# Altium PCB PCB_v1_premove.PcbDoc (part 2 of 4)
Units mil, origin at the board's own origin, x right, y up, seen from the top; angles counter-clockwise.
Board outline 27400 x 10355 mil, 4 copper layers (Component Side, Ground Plane, Power Plane, Solder Side), stack 33.234 mil thick; 525 components, 575 nets, 2564 pads, 188 vias.
Unrouted connection lines stored in the file: 1433.
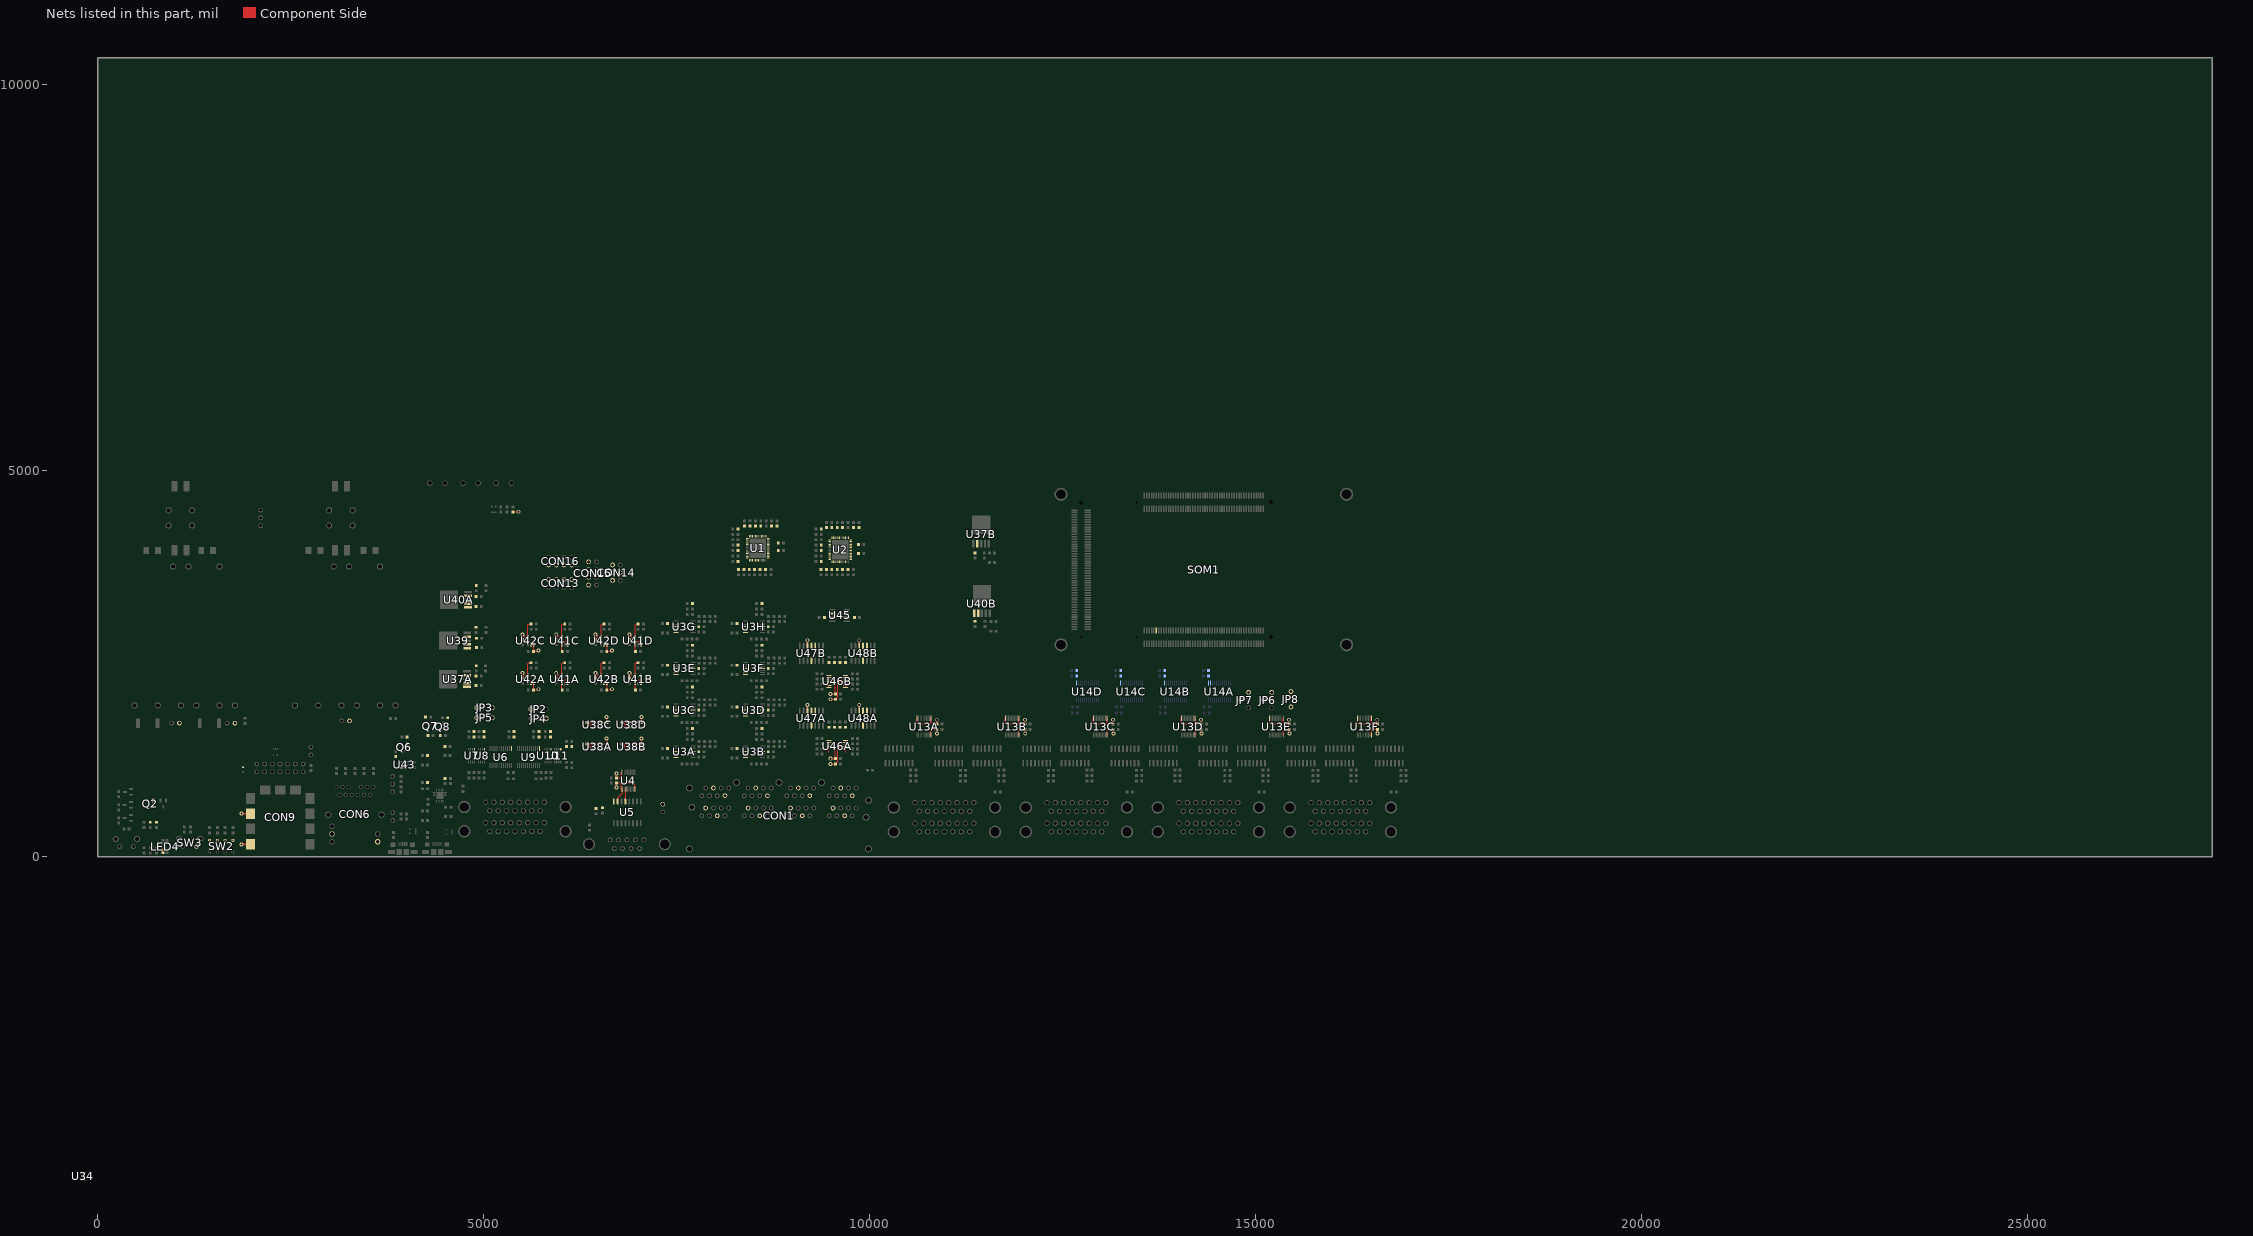
[diagram p4: the nets of this part, all layers, seen from the top]

## Components (designator, comment, footprint, x,y, rotation, side; value= is the part's Value field where it differs from the comment) (continued)
SOM1 "PicoZed" PicoZedSOM 16330,2595 r90 top
SW1 "1825027-5" 1825027-5 370,130 r0 top
SW2 "194-4MST" 194-4MST 1548.66,62.6 r0 top
SW3 "1825027-5" 1825027-5 1190.08,132.6 r0 top
U1 "LTC2320-14" QFN52 8550,3996.54 r0 top
U2 "LTC2320-14" QFN52 9620,3976.54 r0 top
U3A "ADA4522-4" TSSOP14 7600,1360 r270 top (schematic designator U3)
U3B "ADA4522-4" TSSOP14 8500,1360 r270 top (schematic designator U3)
U3C "ADA4522-4" TSSOP14 7600,1900 r270 top (schematic designator U3)
U3D "ADA4522-4" TSSOP14 8500,1900 r270 top (schematic designator U3)
U3E "ADA4522-4" TSSOP14 7600,2440 r270 top (schematic designator U3)
U3F "ADA4522-4" TSSOP14 8500,2440 r270 top (schematic designator U3)
U3G "ADA4522-4" TSSOP14 7600,2980 r270 top (schematic designator U3)
U3H "ADA4522-4" TSSOP14 8500,2980 r270 top (schematic designator U3)
U4 "ADG3308" TSSOP50P640-20N 6870,985 r90 top
U5 "MAX3097E" SOP127P826-16L 6860,575 r90 top
U6 "SN74LVC8T245PWR" TSSOP24 5220,1290 r180 top
U7 "SN74LVC2T45DCTR" SM8 4880,1310 r180 top
U8 "SN74LVC2T45DCTR" SM8 5010,1310 r180 top
U9 "SN74LVC8T245PWR" TSSOP24 5580,1290 r180 top
U10 "SN74LVC2T45DCTR" SM8 5870,1310 r180 top
U11 "SN74LVC2T45DCTR" SM8 5996.22,1310 r180 top
U12A "TC4468" SOIC16_N 11025,1305 r270 top (schematic designator U12)
U12B "TC4468" SOIC16_N 12166.54,1305 r270 top (schematic designator U12)
U12C "TC4468" SOIC16_N 13308.07,1305 r270 top (schematic designator U12)
U12D "TC4468" SOIC16_N 14449.61,1305 r270 top (schematic designator U12)
U12E "TC4468" SOIC16_N 15591.14,1305 r270 top (schematic designator U12)
U12F "TC4468" SOIC16_N 16732.68,1305 r270 top (schematic designator U12)
U13A "ADG3308" TSSOP50P640-20N 10705,1685 r270 top (schematic designator U13)
U13B "ADG3308" TSSOP50P640-20N 11846.54,1685 r270 top (schematic designator U13)
U13C "ADG3308" TSSOP50P640-20N 12988.07,1685 r270 top (schematic designator U13)
U13D "ADG3308" TSSOP50P640-20N 14129.61,1685 r270 top (schematic designator U13)
U13E "ADG3308" TSSOP50P640-20N 15271.14,1685 r270 top (schematic designator U13)
U13F "ADG3308" TSSOP50P640-20N 16412.68,1685 r270 top (schematic designator U13)
U14A "SN74LVC8T245PWR" TSSOP24 14533.16,2140 r0 bottom (schematic designator U14)
U14B "SN74LVC8T245PWR" TSSOP24 13963.16,2140 r0 bottom (schematic designator U14)
U14C "SN74LVC8T245PWR" TSSOP24 13393.16,2140 r0 bottom (schematic designator U14)
U14D "SN74LVC8T245PWR" TSSOP24 12823.16,2140 r0 bottom (schematic designator U14)
U15A "TC4468" SOIC16_N 10380,1306.54 r270 top (schematic designator U15)
U15B "TC4468" SOIC16_N 11521.54,1306.54 r270 top (schematic designator U15)
U15C "TC4468" SOIC16_N 12663.07,1306.54 r270 top (schematic designator U15)
U15D "TC4468" SOIC16_N 13804.61,1306.54 r270 top (schematic designator U15)
U15E "TC4468" SOIC16_N 14946.14,1306.54 r270 top (schematic designator U15)
U15F "TC4468" SOIC16_N 16087.68,1306.54 r270 top (schematic designator U15)
U34 "74LVC1T45GW,125" SOT363-6N -194.29,-4140.01 r270 top
U35 "RP40-2415DG" RP40-G 1075.71,2859.99 r270 top
U36 "RP40-2405SG" RP40-G 3155.71,2860 r270 top
U37A "MIC35302WD-TR" TO-252-5 4537.4,2300 r90 top (schematic designator U37)
U37B "MIC35302WD-TR" TO-252-5 11445,4300 r0 top (schematic designator U37)
U38A "LP5907MFX-2.5/NOPB" SOT23-5 6470,1427.4 r270 top (schematic designator U38)
U38B "LP5907MFX-2.5/NOPB" SOT23-5 6920,1427.4 r270 top (schematic designator U38)
U38C "LP5907MFX-2.5/NOPB" SOT23-5 6470,1707.4 r270 top (schematic designator U38)
U38D "LP5907MFX-2.5/NOPB" SOT23-5 6920,1707.4 r270 top (schematic designator U38)
U39 "MIC35302WD-TR" TO-252-5 4540,2800 r90 top
U40A "MIC35302WD-TR" TO-252-5 4550,3330 r90 top (schematic designator U40)
U40B "MIC35302WD-TR" TO-252-5 11455,3401.06 r0 top (schematic designator U40)
U41A "ADP7118AUJZ-R7" TSOT-23 6050,2300 r0 top (schematic designator U41)
U41B "ADP7118AUJZ-R7" TSOT-23 7000,2300 r0 top (schematic designator U41)
U41C "ADP7118AUJZ-R7" TSOT-23 6050,2800 r0 top (schematic designator U41)
U41D "ADP7118AUJZ-R7" TSOT-23 7000,2800 r0 top (schematic designator U41)
U42A "ADP7182AUJZ-R7" TSOT-23 5610,2300 r0 top (schematic designator U42)
U42B "ADP7182AUJZ-R7" TSOT-23 6560,2300 r0 top (schematic designator U42)
U42C "ADP7182AUJZ-R7" TSOT-23 5610,2800 r0 top (schematic designator U42)
U42D "ADP7182AUJZ-R7" TSOT-23 6560,2800 r0 top (schematic designator U42)
U43 "TPS2051C" SOT23-5 3970,1190 r90 top
U44 "CP2102N" QFN50P400X400-20V1L 4430,790 r90 top
U45 "LT1461CCS8-2.5#PBF" SOIC8_N 9610,3125.25 r0 top
U46A "ADA4522-4" TSSOP14 9580,1430 r270 top (schematic designator U46)
U46B "ADA4522-4" TSSOP14 9580,2270 r270 top (schematic designator U46)
U47A "INA2143UA" SOIC14_N 9245,1795 r270 top (schematic designator U47)
U47B "INA2143UA" SOIC14_N 9245,2635 r270 top (schematic designator U47)
U48A "INA2143UA" SOIC14_N 9915,1795 r270 top (schematic designator U48)
U48B "INA2143UA" SOIC14_N 9915,2635 r270 top (schematic designator U48)

## Footprints (in the part's own frame and the unit in brackets; to place one, negate y for a bottom-side part, rotate by r counter-clockwise, add the part's x,y. Pads: shape width x height; smd on the part's side, far side on the other; paste and mask are expansions set on the pad)
178-015-513R571 [mil] "CONN D-SUB RCPT 15POS R/A SLDR"
  round 67 hole 47: 1A(381.5,0) 1B(381.5,-266) 2A(272.5,0) 2B(272.5,-266) 3A(163.5,0) 3B(163.5,-266) 4A(54.5,0) 4B(54.5,-266) 5A(-54.5,0) 5B(-54.5,-266) 6A(-163.5,0) 6B(-163.5,-266) 7A(-272.5,0) 7B(-272.5,-266) 8A(-381.5,0) 8B(-381.5,-266) 9A(327,-112) 9B(327,-378) 10A(218,-112) 10B(218,-378) 11A(109,-112) 11B(109,-378) 12A(0,-112) 12B(0,-378) 13A(-109,-112) 13B(-109,-378) 14A(-218,-112) 14B(-218,-378) 15A(-327,-112) 15B(-327,-378)
  round 160 hole 120: SH1(656,-63) SH2(-656,-63) SH3(-656,-378) SH4(656,-378)
  silkscreen extent -700,-700 700,-696
194-4MST [mm] "SWITCH PIANO DIP SPST 50MA 24V"
  round 1 hole 0.6: 1(-2.54,0) 2(-2.54,3.81) 3(0,0) 4(0,3.81) 5(2.54,0) 6(2.54,3.81) 7(5.08,0) 8(5.08,3.81)
  silkscreen extent -2.54,1.02 5.08,1.02
0603-CAP [mm]
  rect 0.95x0.95 smd: 1(-0.85,0) 2(0.85,0)
  silkscreen extent -0.13,-0.51 0.13,0.51
0603-LED [mm]
  rect 0.95x0.95 smd: A(0.85,0) C(-0.85,0)
  silkscreen extent -0.13,-0.51 0.13,0.51
0603-RES [mm]
  rect 0.95x0.95 smd: 1(-0.85,0) 2(0.85,0)
  silkscreen extent -0.13,-0.51 0.13,0.51
1210-LED-RGB-CA [mm]
  rect 1x1.5 smd paste+0 mask+0: 1(0.7,1.75) 1(0.7,1.75) 2(-0.7,1.75) 3(0.7,-1.75) 4(-0.7,-1.75)
  silkscreen extent 0,0.51 0.51,0.51
1808-CAP [mil]
  rect 75x90 smd: 1(-77.48,0) 2(77.48,0)
  silkscreen extent -30,-40 30,40
1812-CAP [mil]
  rect 75x135 smd: 1(-77.48,0) 2(77.48,0)
  silkscreen extent -30,-60 30,60
2512-RES [mil]
  rect 49x125 smd: 1(-125.51,0) 2(125.51,0)
  silkscreen extent -80,-60 80,60
1825027-5 [mm] "SWITCH TACTILE SPST-NO 0.05A 24V"
  round 1.524 hole 0.991: 1(-2.25,0) 2(2.25,0)
  round 2 hole 1.295: SH(-3.505,2.49) SH(3.505,2.49)
  silkscreen extent -1.78,-2.29 1.78,-1.52
1935161 [mil] "TERM BLOCK PCB 2POS 5.0MM GREEN"
  round 70 hole 51.18: 1(-98.43,0) 2(98.43,0)
  silkscreen extent -197,-157 197,157
1981584-1 [mm] "CONN RCPT MICRO USB TYPE AB"
  rect 0.4x1.35 smd: 1(-1.3,0) 2(-0.65,0) 3(0,0) 4(0.65,0) 5(1.3,0)
  rect 1.8x1.9 smd: SH(-1.15,-2.675) SH(1.15,-2.675)
  rect 2.3x1.3 smd: SH1(-3.75,-2.675) SH4(3.75,-2.675)
  rect 1.6x1.4 smd: SH2(-3.2,-0.225) SH3(3.2,-0.225)
  silkscreen extent -5,-4.13 5,-4.13
5569257-1 [mm] "CONN MOD JACK 8P8C R/A SHIELDED"
  round 1.524 hole 0.89: 1A(10.16,15.49) 1B(24.13,15.49) 1C(38.1,15.49) 1D(52.07,15.49) 1E(1.27,6.35) 1F(15.24,6.35) 1G(29.21,6.35) 1H(43.18,6.35) 2A(7.62,15.49) 2B(21.59,15.49) 2C(35.56,15.49) 2D(49.53,15.49) 2E(3.81,6.35) 2F(17.78,6.35) 2G(31.75,6.35) 2H(45.72,6.35) 3A(5.08,15.49) 3B(19.05,15.49) 3C(33.02,15.49) 3D(46.99,15.49) 3E(6.35,6.35) 3F(20.32,6.35) 3G(34.29,6.35) 3H(48.26,6.35) 4A(2.54,15.49) 4B(16.51,15.49) 4C(30.48,15.49) 4D(44.45,15.49) 4E(8.89,6.35) 4F(22.86,6.35) 4G(36.83,6.35) 4H(50.8,6.35) 5A(8.89,12.95) 5B(22.86,12.95) 5C(36.83,12.95) 5D(50.8,12.95) 5E(2.54,8.89) 5F(16.51,8.89) 5G(30.48,8.89) 5H(44.45,8.89) 6A(6.35,12.95) 6B(20.32,12.95) 6C(34.29,12.95) 6D(48.26,12.95) 6E(5.08,8.89) 6F(19.05,8.89) 6G(33.02,8.89) 6H(46.99,8.89) 7A(3.81,12.95) 7B(17.78,12.95) 7C(31.75,12.95) 7D(45.72,12.95) 7E(7.62,8.89) 7F(21.59,8.89) 7G(35.56,8.89) 7H(49.53,8.89) 8A(1.27,12.95) 8B(15.24,12.95) 8C(29.21,12.95) 8D(43.18,12.95) 8E(10.16,8.89) 8F(24.13,8.89) 8G(38.1,8.89) 8H(52.07,8.89)
  round 2.25 hole 1.57: SH1(-2.815,-4.57) SH2(-2.03,9.14) SH3(-2.815,15.49) SH4(12.7,17.27) SH5(26.67,17.27) SH6(40.64,17.27) SH7(56.13,11.43) SH8(55.345,5.84) SH9(56.13,-4.57)
  round 3.25 on Drill Guide: ""(0,0) ""(53.34,0)
  silkscreen extent -6,-7 60,20
7448227005 [mm] "CMC 450UH 6.5A 2LN TH"
  round 2 hole 1.3: 1(3.85,2.5) 2(3.85,-2.5) 3(-3.85,-2.5) 4(-3.85,2.5)
  silkscreen extent -9.25,-7.5 9.25,7.25
"A-DF 09 A/KG-T2S" [mm] "CONN D-SUB RCPT 9POS R/A SOLDER"
  round 1.524 hole 1: 1(5.54,1.42) 2(2.77,1.42) 3(0,1.42) 4(-2.77,1.42) 5(-5.54,1.42) 6(4.155,-1.42) 7(1.385,-1.42) 8(-1.385,-1.42) 9(-4.155,-1.42)
  round 4 hole 3.05: SH1(-12.495,0) SH2(12.495,0)
JTAG-SMT2 [mm]
  rect 3.5x3 smd: 1(-7.5,0) 2(-2.5,0) 3(2.5,0) 4(7.5,0) 8(7.5,19.5) 9(2.5,19.5) 10(-2.5,19.5) 11(-7.5,19.5)
  rect 3x3.5 smd: 5(10.25,4.75) 6(10.25,9.75) 7(10.25,14.75)
  silkscreen extent -11.5,-1.5 -8.65,21
L829-1J1T-43 [mil] "CONN MAGJACK 1PORT 1000 BASE-T"
  round 50 hole 35.04: 1(-200,0) 2(-120.08,0) 3(-40.08,0) 4(40,0) 5(119.92,0) 6(199.92,0) 7(-240,-100) 8(-160,-100) 9(-80,-100) 10(80,-100) 11(160,-100) 12(240,-100)
  round 70 hole 50: 13(-296,510) 14(-296,610) 15(296,410) 16(296,510) 17(296,610)
  round 82 hole 62: 18(-346,260) 19(346,260)
  round 128 on Drill Guide: ""(-190,260) ""(190,260)
  silkscreen extent -346,-200 346,800
PicoZedSOM [mil] "PicoZed SOM Footprint"
  round 170 hole 125: 0(150,3850) 0(150,150) 0(2100,3850) 0(2100,150)
  round 30 hole 32.01 unplated: 0(250.5,2870) 0(255,3590) 0(2000.5,2870)
  round 45.98 hole 47.99 unplated: 0(250.5,1130) 0(1995,3590) 0(2000.5,1130)
  rect 80x20 smd: JX1-1(2087.11,2771.65) JX1-2(1913.89,2771.65) JX1-3(2087.11,2740.16) JX1-4(1913.89,2740.16) JX1-5(2087.11,2708.66) JX1-6(1913.89,2708.66) JX1-7(2087.11,2677.17) JX1-8(1913.89,2677.17) JX1-9(2087.11,2645.67) JX1-10(1913.89,2645.67) JX1-11(2087.11,2614.17) JX1-12(1913.89,2614.17) JX1-13(2087.11,2582.68) JX1-14(1913.89,2582.68) JX1-15(2087.11,2551.18) JX1-16(1913.89,2551.18) JX1-17(2087.11,2519.68) JX1-18(1913.89,2519.69) JX1-19(2087.11,2488.19) JX1-20(1913.89,2488.19) JX1-21(2087.11,2456.69) JX1-22(1913.89,2456.69) JX1-23(2087.11,2425.2) JX1-24(1913.89,2425.2) JX1-25(2087.11,2393.7) JX1-26(1913.89,2393.7) JX1-27(2087.11,2362.2) JX1-28(1913.89,2362.21) JX1-29(2087.11,2330.71) JX1-30(1913.89,2330.71) JX1-31(2087.11,2299.21) JX1-32(1913.89,2299.21) JX1-33(2087.11,2267.72) JX1-34(1913.89,2267.72) JX1-35(2087.11,2236.22) JX1-36(1913.89,2236.22) JX1-37(2087.11,2204.72) JX1-38(1913.89,2204.73) JX1-39(2087.11,2173.23) JX1-40(1913.89,2173.23) JX1-41(2087.11,2141.73) JX1-42(1913.89,2141.73) JX1-43(2087.11,2110.24) JX1-44(1913.89,2110.24) JX1-45(2087.11,2078.74) JX1-46(1913.89,2078.74) JX1-47(2087.11,2047.24) JX1-48(1913.89,2047.25) JX1-49(2087.11,2015.75) JX1-50(1913.89,2015.75) JX1-51(2087.11,1984.25) JX1-52(1913.89,1984.25) JX1-53(2087.11,1952.76) JX1-54(1913.89,1952.76) JX1-55(2087.11,1921.26) JX1-56(1913.89,1921.26) JX1-57(2087.11,1889.76) JX1-58(1913.89,1889.77) JX1-59(2087.11,1858.27) JX1-60(1913.89,1858.27) JX1-61(2087.11,1826.77) JX1-62(1913.89,1826.77) JX1-63(2087.11,1795.28) JX1-64(1913.89,1795.28) JX1-65(2087.11,1763.78) JX1-66(1913.89,1763.78) JX1-67(2087.11,1732.28) JX1-68(1913.89,1732.29) JX1-69(2087.11,1700.79) JX1-70(1913.89,1700.79) JX1-71(2087.11,1669.29) JX1-72(1913.89,1669.29) JX1-73(2087.11,1637.8) JX1-74(1913.89,1637.8) JX1-75(2087.11,1606.3) JX1-76(1913.89,1606.3) JX1-77(2087.11,1574.8) JX1-78(1913.89,1574.81) JX1-79(2087.11,1543.31) JX1-80(1913.89,1543.31) JX1-81(2087.11,1511.81) JX1-82(1913.89,1511.81) JX1-83(2087.11,1480.31) JX1-84(1913.89,1480.32) JX1-85(2087.11,1448.82) JX1-86(1913.89,1448.82) JX1-87(2087.11,1417.32) JX1-88(1913.89,1417.33) JX1-89(2087.11,1385.83) JX1-90(1913.89,1385.83) JX1-91(2087.11,1354.33) JX1-92(1913.89,1354.33) JX1-93(2087.11,1322.83) JX1-94(1913.89,1322.84) JX1-95(2087.11,1291.34) JX1-96(1913.89,1291.34) JX1-97(2087.11,1259.84) JX1-98(1913.89,1259.85) JX1-99(2087.11,1228.35) JX1-100(1913.89,1228.35) JX2-1(337.11,2771.65) JX2-2(163.89,2771.65) JX2-3(337.11,2740.16) JX2-4(163.89,2740.16) JX2-5(337.11,2708.66) JX2-6(163.89,2708.66) JX2-7(337.11,2677.17) JX2-8(163.89,2677.17) JX2-9(337.11,2645.67) JX2-10(163.89,2645.67) JX2-11(337.11,2614.17) JX2-12(163.89,2614.17) JX2-13(337.11,2582.68) JX2-14(163.89,2582.68) JX2-15(337.11,2551.18) JX2-16(163.89,2551.18) JX2-17(337.11,2519.68) JX2-18(163.89,2519.69) JX2-19(337.11,2488.19) JX2-20(163.89,2488.19) JX2-21(337.11,2456.69) JX2-22(163.89,2456.69) JX2-23(337.11,2425.2) JX2-24(163.89,2425.2) JX2-25(337.11,2393.7) JX2-26(163.89,2393.7) JX2-27(337.11,2362.2) JX2-28(163.89,2362.21) JX2-29(337.11,2330.71) JX2-30(163.89,2330.71) JX2-31(337.11,2299.21) JX2-32(163.89,2299.21) JX2-33(337.11,2267.72) JX2-34(163.89,2267.72) JX2-35(337.11,2236.22) JX2-36(163.89,2236.22) JX2-37(337.11,2204.72) JX2-38(163.89,2204.73) JX2-39(337.11,2173.23) JX2-40(163.89,2173.23) JX2-41(337.11,2141.73) JX2-42(163.89,2141.73) JX2-43(337.11,2110.24) JX2-44(163.89,2110.24) JX2-45(337.11,2078.74) JX2-46(163.89,2078.74) JX2-47(337.11,2047.24) JX2-48(163.89,2047.25) JX2-49(337.11,2015.75) JX2-50(163.89,2015.75) JX2-51(337.11,1984.25) JX2-52(163.89,1984.25) JX2-53(337.11,1952.76) JX2-54(163.89,1952.76) JX2-55(337.11,1921.26) JX2-56(163.89,1921.26) JX2-57(337.11,1889.76) JX2-58(163.89,1889.77) JX2-59(337.11,1858.27) JX2-60(163.89,1858.27) JX2-61(337.11,1826.77) JX2-62(163.89,1826.77) JX2-63(337.11,1795.28) JX2-64(163.89,1795.28) JX2-65(337.11,1763.78) JX2-66(163.89,1763.78) JX2-67(337.11,1732.28) JX2-68(163.89,1732.29) JX2-69(337.11,1700.79) JX2-70(163.89,1700.79) JX2-71(337.11,1669.29) JX2-72(163.89,1669.29) JX2-73(337.11,1637.8) JX2-74(163.89,1637.8) JX2-75(337.11,1606.3) JX2-76(163.89,1606.3) JX2-77(337.11,1574.8) JX2-78(163.89,1574.81) JX2-79(337.11,1543.31) JX2-80(163.89,1543.31) JX2-81(337.11,1511.81) JX2-82(163.89,1511.81) JX2-83(337.11,1480.31) JX2-84(163.89,1480.32) JX2-85(337.11,1448.82) JX2-86(163.89,1448.82) JX2-87(337.11,1417.32) JX2-88(163.89,1417.33) JX2-89(337.11,1385.83) JX2-90(163.89,1385.83) JX2-91(337.11,1354.33) JX2-92(163.89,1354.33) JX2-93(337.11,1322.83) JX2-94(163.89,1322.84) JX2-95(337.11,1291.34) JX2-96(163.89,1291.34) JX2-97(337.11,1259.84) JX2-98(163.89,1259.85) JX2-99(337.11,1228.35) JX2-100(163.89,1228.35)
  rect 20x80 smd: JX3-1(353.35,3676.61) JX3-2(353.35,3503.39) JX3-3(384.84,3676.61) JX3-4(384.84,3503.39) JX3-5(416.34,3676.61) JX3-6(416.34,3503.39) JX3-7(447.83,3676.61) JX3-8(447.83,3503.39) JX3-9(479.33,3676.61) JX3-10(479.33,3503.39) JX3-11(510.83,3676.61) JX3-12(510.83,3503.39) JX3-13(542.32,3676.61) JX3-14(542.32,3503.39) JX3-15(573.82,3676.61) JX3-16(573.82,3503.39) JX3-17(605.31,3676.61) JX3-18(605.31,3503.39) JX3-19(636.81,3676.61) JX3-20(636.81,3503.39) JX3-21(668.31,3676.61) JX3-22(668.31,3503.39) JX3-23(699.8,3676.61) JX3-24(699.8,3503.39) JX3-25(731.3,3676.61) JX3-26(731.3,3503.39) JX3-27(762.8,3676.61) JX3-28(762.79,3503.39) JX3-29(794.29,3676.61) JX3-30(794.29,3503.39) JX3-31(825.79,3676.61) JX3-32(825.79,3503.39) JX3-33(857.28,3676.61) JX3-34(857.28,3503.39) JX3-35(888.78,3676.61) JX3-36(888.78,3503.39) JX3-37(920.28,3676.61) JX3-38(920.27,3503.39) JX3-39(951.77,3676.61) JX3-40(951.77,3503.39) JX3-41(983.27,3676.61) JX3-42(983.27,3503.39) JX3-43(1014.76,3676.61) JX3-44(1014.76,3503.39) JX3-45(1046.26,3676.61) JX3-46(1046.26,3503.39) JX3-47(1077.76,3676.61) JX3-48(1077.75,3503.39) JX3-49(1109.25,3676.61) JX3-50(1109.25,3503.39) JX3-51(1140.75,3676.61) JX3-52(1140.75,3503.39) JX3-53(1172.24,3676.61) JX3-54(1172.24,3503.39) JX3-55(1203.74,3676.61) JX3-56(1203.74,3503.39) JX3-57(1235.24,3676.61) JX3-58(1235.23,3503.39) JX3-59(1266.73,3676.61) JX3-60(1266.73,3503.39) JX3-61(1298.23,3676.61) JX3-62(1298.23,3503.39) JX3-63(1329.72,3676.61) JX3-64(1329.72,3503.39) JX3-65(1361.22,3676.61) JX3-66(1361.22,3503.39) JX3-67(1392.72,3676.61) JX3-68(1392.71,3503.39) JX3-69(1424.21,3676.61) JX3-70(1424.21,3503.39) JX3-71(1455.71,3676.61) JX3-72(1455.71,3503.39) JX3-73(1487.2,3676.61) JX3-74(1487.2,3503.39) JX3-75(1518.7,3676.61) JX3-76(1518.7,3503.39) JX3-77(1550.2,3676.61) JX3-78(1550.19,3503.39) JX3-79(1581.69,3676.61) JX3-80(1581.69,3503.39) JX3-81(1613.19,3676.61) JX3-82(1613.19,3503.39) JX3-83(1644.69,3676.61) JX3-84(1644.68,3503.39) JX3-85(1676.18,3676.61) JX3-86(1676.18,3503.39) JX3-87(1707.68,3676.61) JX3-88(1707.67,3503.39) JX3-89(1739.17,3676.61) JX3-90(1739.17,3503.39) JX3-91(1770.67,3676.61) JX3-92(1770.67,3503.39) JX3-93(1802.17,3676.61) JX3-94(1802.16,3503.39) JX3-95(1833.66,3676.61) JX3-96(1833.66,3503.39) JX3-97(1865.16,3676.61) JX3-98(1865.15,3503.39) JX3-99(1896.65,3676.61) JX3-100(1896.65,3503.39)
  Component Side keep-out circle w4: c150,150 r150
  Component Side keep-out circle w4: c2100,3850 r150
  Component Side keep-out circle w4: c150,3850 r150
  Component Side keep-out circle w4: c2100,150 r150
  Solder Side keep-out circle w4: c150,150 r150
  Solder Side keep-out circle w4: c2100,3850 r150
  Solder Side keep-out circle w4: c150,3850 r150
  Solder Side keep-out circle w4: c2100,150 r150
  silkscreen extent 0,0 2250,4000, body extent -1,0 2250,4000, height 186
PIN_HEADER_1x2 [mil]
  round 60 hole 40.16: 1(-50,0) 2(50,0)
PIN_HEADER_1X3 [mil]
  round 60 hole 40.16: 1(-100,0) 2(0,0) 3(100,0)
PIN_HEADER_1X3T [mil]
  round 60 hole 40.16: 1(-100,0) 2(0,0) 3(100,0) 4(0,100)
PIN_HEADER_2x3 [mil]
  round 60 hole 40.16: 1(-100,50) 2(-100,-50) 3(0,50) 4(0,-50) 5(100,50) 6(100,-50)
PIN_HEADER_2x4 [mil]
  round 60 hole 40.16: 1(-150,50) 2(-150,-50) 3(-50,50) 4(-50,-50) 5(50,50) 6(50,-50) 7(150,50) 8(150,-50)
PIN_HEADER_2x7 [mil]
  round 60 hole 40.16: 1(-300,0) 2(-300,-100) 3(-200,0) 4(-200,-100) 5(-100,0) 6(-100,-100) 7(0,0) 8(0,-100) 9(100,0) 10(100,-100) 11(200,0) 12(200,-100) 13(300,0) 14(300,-100)
QFN50P400X400-20V1L [mm] "QFN, 20-Leads, Body 4x4mm, Pitch 0.5mm, IPC High Density"
  oval 0.95x0.3 smd: 1(-1.825,1) 2(-1.825,0.5) 3(-1.825,0) 4(-1.825,-0.5) 5(-1.825,-1) 11(1.825,-1) 12(1.825,-0.5) 13(1.825,0) 14(1.825,0.5) 15(1.825,1)
  oval 0.3x0.95 smd: 6(-1,-1.825) 7(-0.5,-1.825) 8(0,-1.825) 9(0.5,-1.825) 10(1,-1.825) 16(1,1.825) 17(0.5,1.825) 18(0,1.825) 19(-0.5,1.825) 20(-1,1.825)
  rect 2.3x2.3 smd: 21(0,0)
  silkscreen extent -2.97,-2.1 2.1,2.1, body extent -2.07,-2.07 2.07,2.07, height 1
QFN52 [mil] "Small 52-Lead (7mm × 8mm) QFN Package"
  rect 32x12 smd paste+0 mask+0: 1(-136,127.95) 2(-136,108.27) 3(-136,88.58) 4(-136,68.9) 5(-136,49.21) 6(-136,29.53) 7(-136,9.84) 8(-136,-9.84) 9(-136,-29.53) 10(-136,-49.21) 11(-136,-68.9) 12(-136,-88.58) 13(-136,-108.27) 14(-136,-127.95) 27(136,-127.95) 28(136,-108.27) 29(136,-88.58) 30(136,-68.9) 31(136,-49.21) 32(136,-29.53) 33(136,-9.84) 34(136,9.84) 35(136,29.53) 36(136,49.21) 37(136,68.9) 38(136,88.58) 39(136,108.27) 40(136,127.95)
  rect 12x32 smd paste+0 mask+0: 15(-108.27,-155.5) 16(-88.58,-155.5) 17(-68.9,-155.5) 18(-49.21,-155.5) 19(-29.53,-155.5) 20(-9.84,-155.5) 21(9.84,-155.5) 22(29.53,-155.5) 23(49.21,-155.5) 24(68.9,-155.5) 25(88.58,-155.5) 26(108.27,-155.5) 41(108.27,155.5) 42(88.58,155.5) 43(68.9,155.5) 44(49.21,155.5) 45(29.53,155.5) 46(9.84,155.5) 47(-9.84,155.5) 48(-29.53,155.5) 49(-49.21,155.5) 50(-68.9,155.5) 51(-88.58,155.5) 52(-108.27,155.5)
  rect 216.93x257.87 smd paste-128.44 mask+0: 53(0,0)
  silkscreen extent -172,-192 172,191, body extent 0,0 10,10, height 10
RP40-G [mm] "CONV DC/DC"
  round 2 hole 1.4: 1(-22.86,-2.54) 2(-22.86,2.54) 3(-22.86,12.7) 4(22.86,-15.24) 5(22.86,-7.62) 6(22.86,0) 7(22.86,5.08) 8(22.86,12.7) 9(22.86,17.78)
  silkscreen extent -25.4,-25.4 25.4,25.4
SC70-5 [mm]
  rect 0.4x0.5 smd: 1(-0.65,-0.95) 2(0,-0.95) 3(0.65,-0.95) 4(0.65,0.95) 5(-0.65,0.95)
SM8 [mm]
  rect 0.42x0.889 smd: 1(0,-2.105) 2(0.65,-2.105) 3(1.3,-2.105) 4(1.95,-2.105) 5(1.95,2.105) 6(1.3,2.105) 7(0.65,2.105) 8(0,2.105)
  silkscreen extent -0.3,-1.1 2.2,-1.1
SOD-523 [mm]
  rect 0.5x0.6 smd paste+0 mask+0: A(-0.7,0) C(0.7,0)
  silkscreen extent 0.3,-0.3 0.3,0.3
SOIC8_N [mm] "8-Pin Small Outline Integrated Circuit Package (SOIC8), IPC Medium Density"
  oval 2.2x0.6 smd: 1(-2.4,1.905) 2(-2.4,0.635) 3(-2.4,-0.635) 4(-2.4,-1.905) 5(2.4,-1.905) 6(2.4,-0.635) 7(2.4,0.635) 8(2.4,1.905)
  silkscreen extent -2.52,-2.5 0.9,2.88, body extent -1.95,-2.45 1.95,2.45, height 1.75
SOIC14_N [mm] "14-Pin Small Outline Integrated Circuit 1.27 mm Pitch, IPC Medium Density"
  oval 2.2x0.6 smd: 1(-2.4,3.81) 2(-2.4,2.54) 3(-2.4,1.27) 4(-2.4,0) 5(-2.4,-1.27) 6(-2.4,-2.54) 7(-2.4,-3.81) 8(2.4,-3.81) 9(2.4,-2.54) 10(2.4,-1.27) 11(2.4,0) 12(2.4,1.27) 13(2.4,2.54) 14(2.4,3.81)
  silkscreen extent -2.52,-4.4 0.9,4.79, body extent -1.95,-4.33 1.95,4.33, height 1.75
SOIC16_N [mm] "SOIC, 16-Leads, Body 9.9x3.9mm, Pitch 1.27mm, IPC Medium Density"
  oval 2.2x0.6 smd: 1(-2.4,4.445) 2(-2.4,3.175) 3(-2.4,1.905) 4(-2.4,0.635) 5(-2.4,-0.635) 6(-2.4,-1.905) 7(-2.4,-3.175) 8(-2.4,-4.445) 9(2.4,-4.445) 10(2.4,-3.175) 11(2.4,-1.905) 12(2.4,-0.635) 13(2.4,0.635) 14(2.4,1.905) 15(2.4,3.175) 16(2.4,4.445)
  silkscreen extent -2.52,-5 0.9,5.42, body extent -2,-5 2,5, height 1.91
SOP127P826-16L [mm] "SOP, 16-Leads, Body 11x6.2mm, Pitch 1.27mm, IPC High Density"
  oval 2x0.6 smd: 1(-3.6,4.445) 2(-3.6,3.175) 3(-3.6,1.905) 4(-3.6,0.635) 5(-3.6,-0.635) 6(-3.6,-1.905) 7(-3.6,-3.175) 8(-3.6,-4.445) 9(3.6,-4.445) 10(3.6,-3.175) 11(3.6,-1.905) 12(3.6,-0.635) 13(3.6,0.635) 14(3.6,1.905) 15(3.6,3.175) 16(3.6,4.445)
  silkscreen extent -3.72,-5.7 2.2,5.7, body extent -3.11,-5.71 3.11,5.71, height 2
SOT23-5 [mm] "SOT-23/SC-74A; 5 Leads; Body 3 x 3 mm, inc. leads (LxW max)"
  rect 0.55x1.45 smd: 1(-0.95,-1.075) 2(0,-1.075) 3(0.95,-1.075) 4(0.95,1.075) 5(-0.95,1.075)
  silkscreen extent -1.57,-1.35 1.55,0.9
SOT95P250-3N [mm] "SOT23, 3-Leads, Body 2.9x1.3mm, Pitch 0.95mm, Lead Span 2.3mm, IPC Medium Density"
  rect 1.3x0.6 smd: 1(-1.05,0.95) 2(-1.05,-0.95) 3(1.05,0)
  silkscreen extent -1.17,-1.5 0.7,1.93, body extent -0.7,-1.5 0.7,1.5, height 1.2
SOT363-6N [mm] "SOT363, 6-Leads, Body 2x1.3mm, Pitch 0.65mm, Lead Span 2.1mm, IPC Medium Density"
  rect 0.85x0.4 smd: 1(-0.95,0.65) 2(-0.95,0) 3(-0.95,-0.65) 4(0.95,-0.65) 5(0.95,0) 6(0.95,0.65)
  silkscreen extent -1.07,-1.1 0.15,1.53, body extent -0.7,-1.1 0.7,1.1, height 1
TO-252-5 [mm] "5-pin TO-252-5"
  rect 0.8x2.5 smd: 1(-2.54,-6.25) 2(-1.27,-6.25) 3(0,-6.25) 4(1.27,-6.25) 5(2.54,-6.25)
  rect 6x6 smd: 6(0,0)
TSOT-23 [mm] "5-Lead Plastic TSOT-23"
  rect 0.62x1.22 smd: 1(-0.95,-1.31) 2(0,-1.31) 3(0.95,-1.31) 4(0.95,1.31) 5(-0.95,1.31)
TSSOP14 [mm] "Shrink Small Outline; 14 Leads; Body Width 4.4 mm; Pitch 0.65 mm"
  rect 0.3x1.65 smd: 1(-1.95,-2.775) 2(-1.3,-2.775) 3(-0.65,-2.775) 4(0,-2.775) 5(0.65,-2.775) 6(1.3,-2.775) 7(1.95,-2.775) 8(1.95,2.775) 9(1.3,2.775) 10(0.65,2.775) 11(0,2.775) 12(-0.65,2.775) 13(-1.3,2.775) 14(-1.95,2.775)
  silkscreen extent -2.77,-2.9 2.55,1.55
TSSOP24 [mm] "Shrink Small Outline; 24 Leads; Body Width 4.4 mm; Pitch 0.65 mm"
  rect 0.3x1.6 smd: 1(-3.575,-2.8) 2(-2.925,-2.8) 3(-2.275,-2.8) 4(-1.625,-2.8) 5(-0.975,-2.8) 6(-0.325,-2.8) 7(0.325,-2.8) 8(0.975,-2.8) 9(1.625,-2.8) 10(2.275,-2.8) 11(2.925,-2.8) 12(3.575,-2.8) 13(3.575,2.8) 14(2.925,2.8) 15(2.275,2.8) 16(1.625,2.8) 17(0.975,2.8) 18(0.325,2.8) 19(-0.325,2.8) 20(-0.975,2.8) 21(-1.625,2.8) 22(-2.275,2.8) 23(-2.925,2.8) 24(-3.575,2.8)
  silkscreen extent -4.4,-2.92 4,1.6
TSSOP50P640-20N [mm] "TSSOP, 20-Leads, Body 5x4.4mm, Pitch 0.5mm, IPC Medium Density"
  oval 1.75x0.3 smd: 1(-2.775,2.25) 2(-2.775,1.75) 3(-2.775,1.25) 4(-2.775,0.75) 5(-2.775,0.25) 6(-2.775,-0.25) 7(-2.775,-0.75) 8(-2.775,-1.25) 9(-2.775,-1.75) 10(-2.775,-2.25) 11(2.775,-2.25) 12(2.775,-1.75) 13(2.775,-1.25) 14(2.775,-0.75) 15(2.775,-0.25) 16(2.775,0.25) 17(2.775,0.75) 18(2.775,1.25) 19(2.775,1.75) 20(2.775,2.25)
  silkscreen extent -2.9,-2.55 1.5,3.07, body extent -2.25,-2.55 2.25,2.55, height 1.2

## Part data
CON1: "CONN MOD JACK 8P8C R/A SHIELDED", Supplier Part Number 1=A115463-ND, Supplier 1=Digi-Key
CON2 CON3 CON4: Supplier Part Number 1=277-1667-ND, Supplier 1=Digi-Key
CON5: "CONN D-SUB RCPT 9POS R/A SOLDER", Supplier Part Number 1=AE10921-ND, Supplier 1=Digi-Key
CON6: Supplier Part Number 1=380-1110-ND, Supplier 1=Digi-Key
CON7 CON8A CON8B CON8C CON8D: "CONN D-SUB RCPT 15POS R/A SLDR", Supplier Part Number 1=1115FFE-ND, Supplier 1=Digi-Key
CON11 CON12: "CONN RCPT MICRO USB TYPE AB", Supplier Part Number 1=A97799TR-ND, Supplier 1=Digi-Key
D1 D3 D7 D8: "TVS DIODE 5.5V 13V SC70-5", Supplier Part Number 1=F2895TR-ND, Supplier 1=Digi-Key
D2: "DIODE SCHOTTKY 30V 200MA SOD523", Supplier Part Number 1=RB521S30T1GOSTR-ND, Supplier 1=Digi-Key
L1 L2: "CMC 450UH 6.5A 2LN TH", Supplier Part Number 1=732-3883-ND, Supplier 1=Digi-Key
LED4: Supplier Part Number 1=492-1243-2-ND, Supplier 1=Digi-Key
Q1 Q2 Q3 Q4 Q5 Q6 Q7 Q8: Supplier Part Number 1=DMN65D8L-7DITR-ND, Supplier 1=Digi-Key
SOM1: library part PicoZed_SOM, "PicoZed SOM Carrier Footprint"
SW1 SW3: "SWITCH TACTILE SPST-NO 0.05A 24V", Supplier Part Number 1=450-1662-ND, Supplier 1=Digi-Key
SW2: "SWITCH PIANO DIP SPST 50MA 24V", Supplier Part Number 1=CT1944MST-ND, Supplier 1=Digi-Key
U1 U2: "IC ADC 14BIT 1.5MSPS SAR 52QFN - 14 Bit Analog to Digital Converter 8 Input 4 SAR 52-QFN (7x8)", Supplier Part Number 1=LTC2320CUKG-14#PBF-ND, Supplier 1=Digi-Key
U3A U3B U3C U3D U3E U3F U3G U3H U46A U46B: Supplier Part Number 1=ADA4522-4ARZ-ND, Supplier 1=Digi-Key
U4 U13A U13B U13C U13D U13E U13F: "IC XLATOR 8CH 1.2-5.5V 20TSSOP", Supplier Part Number 1=ADG3308BRUZ-ND, Supplier 1=Digi-Key
U5: "IC RS485/422 RX 32MBPS 16-QSOP", Supplier Part Number 1=MAX3097ECEE+-ND, Supplier 1=Digi-Key
U6 U9 U14A U14B U14C U14D: "IC BUS TRANSCVR 8BIT 24TSSOP", Supplier Part Number 1=296-18593-2-ND, Supplier 1=Digi-Key
U7 U8 U10 U11: "IC BUS TRANSCVR 2BIT N-INV SM8", Supplier Part Number 1=296-16845-2-ND, Supplier 1=Digi-Key
U12A U12B U12C U12D U12E U12F U15A U15B U15C U15D U15E U15F: "IC MOSFET DVR QUAD AND 16SOIC", Supplier Part Number 1=TC4468COE-ND, Supplier 1=Digi-Key
U34: "TXRX XLATING DUAL 3ST 6TSSOP", Supplier Part Number 1=1727-4560-2-ND, Supplier 1=Digi-Key
U35: "CONV DC/DC 40W 9-36VIN +/-15VOUT", Supplier Part Number 1=RP40-2415DGW-ND, Supplier 1=Digi-Key
U36: "CONV DC/DC 40W 18-36VIN 05VOUT", Supplier Part Number 1=945-2397-5-ND, Supplier 1=Digi-Key
U37A U37B U39 U40A U40B: "IC REG LINEAR POS ADJ 3A TO252-5", Supplier Part Number 1=576-3614-2-ND, Supplier 1=Digi-Key
U38A U38B U38C U38D: "IC REG LINEAR 2.5V 250MA SOT23", Supplier Part Number 1=296-40356-2-ND, Supplier 1=Digi-Key
U41A U41B U41C U41D: "IC REG LINEAR 200MA TSOT23-5", Supplier Part Number 1=ADP7118AUJZ-R7-ND, Supplier 1=Digi-Key
U42A U42B U42C U42D: "IC REG LINEAR 200MA 5TSOT", Supplier Part Number 1=ADP7182AUJZ-R7-ND, Supplier 1=Digi-Key
U43: "IC USB PWR SW 1CH 0.5A SOT23-5", Supplier Part Number 1=296-29537-1-ND, Supplier 1=Digi-Key
U44: "IC BRIDGE USB TO UART 20QFN", Supplier Part Number 1=336-3692-ND, Supplier 1=Digi-Key
U45: "IC VREF SERIES 2.5V 8SOIC", Supplier Part Number 1=LT1461CCS8-2.5#PBF-ND, Supplier 1=Digi-Key
U47A U47B U48A U48B: "IC OPAMP DIFF 150KHZ 14SOIC", Supplier Part Number 1=INA2143UA-ND, Supplier 1=Digi-Key

## Via types
v1: diameter 50, hole 28, Component Side to Solder Side, 184 vias
v2: diameter 25.98, hole 12.99, Component Side to Solder Side, tented top, 4 vias

## Nets (pads, with @x,y where several pads share a name; then routed paths per layer and width w, separated by ;. In a path a pad name is that pad's centre, name@x,y a point inside that pad or via, vN(x,y) a via of type N, cw(c..) or ccw(c..) an arc to the next point about the centre after c; other vN are vias at no path point)
1.8V: C5.1 C10.1 C28.1 C35.1 C56.1 C62.1 C64.1 C66.1 C68.1 C70.1 C72.1 C74.1 C76.1 C78.1 C80.1 C82.1 C84.1 C85A.1 C85B.1 C85C.1 C85D.1 C87A.1 C87B.1 C87C.1 C87D.1 C92A.1 C92B.1 C92C.1 C92D.1 C92E.1 C92F.1 C158A.1 CON9.9 CON14.5 JP2.3 JP4.3 Q7.1 Q8.1 R32A.1 R47.2 R50.2 SW2.2 SW2.4 SW2.6 SW2.8 SW3.2 U1.31 U1.37 U2.31 U2.37 U4.20 U6.1 U7.1 U8.1 U9.1 U10.1 U11.1 U13A.1 U13A.10 U13B.1 U13B.10 U13C.1 U13C.10 U13D.1 U13D.10 U13E.1 U13E.10 U13F.1 U13F.10 U14A.1 U14A.2 U14B.1 U14C.1 U14D.1 U34.1 U34.5 U37A.4 | length 2992.4
  Component Side w10: v1(6720,1080) 6718.46,1078.46 C56.1@6718.46,1020 6760,1020 6781.42,1041.42 U4.20@6781.42,1094.25 ; U13A.10@10616.42,1794.25 10616.42,1733.58 10630,1720 10772.17,1720 10793.58,1741.42 ; U13A.1@10793.58,1794.25 10793.58,1741.42 ; v1(10870,1775) 10871.54,1773.46 C92A.1@10871.54,1720 10815,1720 10793.58,1741.42 ; U13B.10@11757.95,1794.25 11757.95,1733.58 11771.54,1720 11913.7,1720 11935.12,1741.42 ; U13B.1@11935.12,1794.25 11935.12,1741.42 ; v1(12011.54,1775) 12013.07,1773.46 C92B.1@12013.07,1720 11956.54,1720 11935.12,1741.42 ; U13C.10@12899.49,1794.25 12899.49,1733.58 12913.07,1720 13055.24,1720 13076.65,1741.42 ; U13C.1@13076.65,1794.25 13076.65,1741.42 ; v1(13153.07,1775) 13154.61,1773.46 C92C.1@13154.61,1720 13098.07,1720 13076.65,1741.42 ; U13D.10@14041.02,1794.25 14041.02,1733.58 14054.61,1720 14196.77,1720 14218.19,1741.42 ; U13D.1@14218.19,1794.25 14218.19,1741.42 ; v1(14294.61,1775) 14296.14,1773.46 C92D.1@14296.14,1720 14239.61,1720 14218.19,1741.42 ; U13E.10@15182.56,1794.25 15182.56,1733.58 15196.14,1720 15338.31,1720 15359.72,1741.42 ; U13E.1@15359.72,1794.25 15359.72,1741.42 ; v1(15436.14,1775) 15437.68,1773.46 C92E.1@15437.68,1720 15381.14,1720 15359.72,1741.42 ; U13F.10@16324.09,1794.25 16324.09,1733.58 16337.68,1720 16479.84,1720 16501.26,1741.42 ; U13F.1@16501.26,1794.25 16501.26,1741.42 ; v1(16577.68,1775) 16579.21,1773.46 C92F.1@16579.21,1720 16522.68,1720 16501.26,1741.42
  Component Side w20: v1(1860,560) 1863.15,556.85 CON9.9@1980,556.85
1.8V_A: Q2.1 SOM1.JX2-11
2.5V_A: C160A.1 CON15.1 R9A.2 R9B.2 R9C.2 R9D.2 U38A.5 | length 161.6
  Component Side w10: U38A.5@6512.32,1464.8 6596.06,1464.8 C160A.1@6600,1460.87 6600,1522.32 v1(6592.32,1530)
2.5V_B: C160B.1 CON15.3 R9E.2 R9F.2 R9G.2 R9H.2 U38B.5 | length 161.6
  Component Side w10: U38B.5@6962.32,1464.8 7046.06,1464.8 C160B.1@7050,1460.87 7050,1522.32 v1(7042.32,1530)
2.5V_C: C160C.1 CON15.5 U38C.5 U47A.3 U47A.5 U48A.3 U48A.5 | length 312.6
  Component Side w10: U38C.5@6512.32,1744.8 6596.06,1744.8 C160C.1@6600,1740.87 6600,1802.32 v1(6592.32,1810) ; U47A.5@9195,1889.49 v1(9195,1965) ; U48A.5@9865,1889.49 v1(9865,1965)
2.5V_D: C160D.1 CON15.7 U38D.5 U47B.3 U47B.5 U48B.3 U48B.5 | length 312.6
  Component Side w10: U38D.5@6962.32,1744.8 7046.06,1744.8 C160D.1@7050,1740.87 7050,1802.32 v1(7042.32,1810) ; U47B.5@9195,2729.49 v1(9195,2805) ; U48B.5@9865,2729.49 v1(9865,2805)
2.5VREF: C1.1 C2.1 C6.1 C7.1 C11.1 C12.1 C15.1 C16.1 C24.1 C25.1 C31.1 C32.1 C37.1 C38.1 C43.1 C44.1 C178.1 CON14.4 U1.1 U1.4 U1.10 U1.13 U1.16 U1.19 U1.47 U1.50 U2.1 U2.4 U2.10 U2.13 U2.16 U2.19 U2.47 U2.50 U45.6
3.3V: C162.1 CON6.14 CON6.16 CON9.11 CON14.3 D2.A JP3.1 JP5.1 JP6.4 JP7.4 JP8.1 LED4.1 LED6.A LED7.A Q6.1 R10.2 R11.2 R34.1 R44.2 R48.2 R49.2 R51.2 R56.1 U39.4 | length 191.2
  Component Side w10: v1(840,130) 842.44,127.56 LED4.1@842.44,61.1
  Component Side w20: v1(1860,160) 1863.15,163.15 CON9.11@1980,163.15
5.5V: C157A.1 C157B.1 C159A.1 C159B.1 C159C.1 C159D.1 C161.1 C163A.1 C163B.1 C177.1 JP15.2 U37A.1 U37A.2 U37B.2 U38A.1 U38A.3 U38B.1 U38B.3 U38C.1 U38C.3 U38D.1 U38D.3 U39.1 U39.2 U40A.1 U40A.2 U40B.1 U40B.2 U45.2 U45.3 | length 773.2
  Component Side w10: C159A.1@6340,1460.87 6343.94,1464.8 6380,1464.8 ; C159C.1@6340,1740.87 6343.94,1744.8 6380,1744.8 ; U38A.3@6427.68,1390 6411.57,1390 6380,1421.57 6380,1464.8 ; U38A.1@6427.68,1464.8 6380,1464.8 ; U38C.3@6427.68,1670 6411.57,1670 6380,1701.57 6380,1744.8 ; U38C.1@6427.68,1744.8 6380,1744.8 ; C159B.1@6790,1460.87 6793.94,1464.8 6830,1464.8 ; C159D.1@6790,1740.87 6793.94,1744.8 6830,1744.8 ; U38B.3@6877.68,1390 6861.57,1390 6830,1421.57 6830,1464.8 ; U38B.1@6877.68,1464.8 6830,1464.8 ; U38D.3@6877.68,1670 6861.57,1670 6830,1701.57 6830,1744.8 ; U38D.1@6877.68,1744.8 6830,1744.8
5V: C3.1 C4.1 C8.1 C9.1 C13.1 C14.1 C17.1 C18.1 C26.1 C27.1 C33.1 C34.1 C39.1 C40.1 C45.1 C46.1 C53.1 C54.1 C55.1 C91A.1 C91B.1 C91C.1 C91D.1 C91E.1 C91F.1 C164A.1 CON14.1 JP1.1 JP3.3 JP5.3 JP6.3 JP7.3 JP8.3 R13.1 R36A.1 R45.2 U1.15 U1.21 U1.43 U1.44 U1.52 U2.15 U2.21 U2.43 U2.44 U2.52 U4.1 U4.10 U5.16 U13A.20 U13B.20 U13C.20 U13D.20 U13E.20 U13F.20 U34.6 U40A.4 U43.5 | length 1689.8
  Component Side w10: R13.1@5380,4466.54 5446.54,4466.54 v1(5450,4470) ; v1(6720,895) 6718.46,896.54 C54.1@6718.46,955 6760,955 6781.42,933.58 ; U4.1@6781.42,875.75 6781.42,933.58 ; U4.10@6958.58,875.75 6958.58,931.42 6935,955 6802.83,955 6781.42,933.58 ; U13A.20@10793.58,1575.75 10793.58,1628.58 10815,1650 C91A.1@10871.54,1650 10871.54,1598.46 v1(10875,1595) ; U13B.20@11935.12,1575.75 11935.12,1628.58 11956.54,1650 C91B.1@12013.07,1650 12013.07,1598.46 v1(12016.54,1595) ; U13C.20@13076.65,1575.75 13076.65,1628.58 13098.07,1650 C91C.1@13154.61,1650 13154.61,1598.46 v1(13158.07,1595) ; U13D.20@14218.19,1575.75 14218.19,1628.58 14239.61,1650 C91D.1@14296.14,1650 14296.14,1598.46 v1(14299.61,1595) ; U13E.20@15359.72,1575.75 15359.72,1628.58 15381.14,1650 C91E.1@15437.68,1650 15437.68,1598.46 v1(15441.14,1595) ; U13F.20@16501.26,1575.75 16501.26,1628.58 16522.68,1650 C91F.1@16579.21,1650 16579.21,1598.46 v1(16582.68,1595)
+15V_A: C166A.2 C189A.1 C189B.1 C189C.1 C189D.1 CON1.3A CON1.3B CON13.1 R38A.2 U3A.4 U3B.4 U3C.4 U3D.4 U41A.5 | length 343.8
  Component Side w10: C166A.2@5940,2313.46 v1(5940,2380) 5968.43,2351.57 U41A.5@6012.6,2351.57 6012.6,2502.6 6023.46,2513.46 R38A.2@6050,2513.46
+15V_B: C166B.2 C189E.1 C189F.1 C189G.1 C189H.1 CON1.3C CON1.3D CON13.3 R38B.2 U3E.4 U3F.4 U3G.4 U3H.4 U41B.5 | length 343.8
  Component Side w10: C166B.2@6890,2313.46 v1(6890,2380) 6918.43,2351.57 U41B.5@6962.6,2351.57 6962.6,2502.6 6973.46,2513.46 R38B.2@7000,2513.46
+15V_C: C166C.2 C179A.1 C183A.1 C187A.1 CON1.3E CON1.3F CON13.5 R38C.2 U41C.5 U46A.4 U47A.11 U48A.11 | length 635.6
  Component Side w10: C166C.2@5940,2813.46 v1(5940,2880) 5968.43,2851.57 U41C.5@6012.6,2851.57 6012.6,3002.6 6023.46,3013.46 R38C.2@6050,3013.46 ; U46A.4@9470.75,1430 9530,1430 9556.54,1403.46 C187A.1@9556.54,1270 v1(9495,1270)
+15V_D: C166D.2 C179B.1 C183B.1 C187B.1 CON1.3G CON1.3H CON13.7 R38D.2 U41D.5 U46B.4 U47B.11 U48B.11 | length 635.6
  Component Side w10: C166D.2@6890,2813.46 v1(6890,2880) 6918.43,2851.57 U41D.5@6962.6,2851.57 6962.6,3002.6 6973.46,3013.46 R38D.2@7000,3013.46 ; U46B.4@9470.75,2270 9530,2270 9556.54,2243.46 C187B.1@9556.54,2110 v1(9495,2110)
+16V: C165A.2 C165B.2 C165C.2 C165D.2 JP13.1 U41A.1 U41A.3 U41B.1 U41B.3 U41C.1 U41C.3 U41D.1 U41D.3 | length 957.3
  Component Side w10: C165A.2@6016.54,2160 6012.6,2163.94 U41A.1@6012.6,2248.43 6012.6,2282.6 6020,2290 6080,2290 6087.4,2282.6 U41A.3@6087.4,2248.43 ; C165C.2@6016.54,2660 6012.6,2663.94 U41C.1@6012.6,2748.43 6012.6,2782.6 6020,2790 6080,2790 6087.4,2782.6 U41C.3@6087.4,2748.43 ; C165B.2@6966.54,2160 6962.6,2163.94 U41B.1@6962.6,2248.43 6962.6,2282.6 6970,2290 7030,2290 7037.4,2282.6 U41B.3@7037.4,2248.43 ; C165D.2@6966.54,2660 6962.6,2663.94 U41D.1@6962.6,2748.43 6962.6,2782.6 6970,2790 7030,2790 7037.4,2782.6 U41D.3@7037.4,2748.43
-15V_A: C168A.1 C190A.1 C190B.1 C190C.1 C190D.1 CON1.5A CON1.5B CON16.1 R41A.1 U3A.11 U3B.11 U3C.11 U3D.11 U42A.5 | length 343.8
  Component Side w10: C168A.1@5500,2313.46 v1(5500,2380) 5528.43,2351.57 U42A.5@5572.6,2351.57 5572.6,2502.6 5583.46,2513.46 R41A.1@5610,2513.46
-15V_B: C168B.1 C190E.1 C190F.1 C190G.1 C190H.1 CON1.5C CON1.5D CON16.3 R41B.1 U3E.11 U3F.11 U3G.11 U3H.11 U42B.5 | length 343.8
  Component Side w10: C168B.1@6450,2313.46 v1(6450,2380) 6478.43,2351.57 U42B.5@6522.6,2351.57 6522.6,2502.6 6533.46,2513.46 R41B.1@6560,2513.46
-15V_C: C168C.1 C180A.1 C184A.1 C188A.1 CON1.5E CON1.5F CON16.5 R41C.1 U42C.5 U46A.11 U47A.4 U48A.4 | length 730.9
  Component Side w10: C168C.1@5500,2813.46 v1(5500,2880) 5528.43,2851.57 U42C.5@5572.6,2851.57 5572.6,3002.6 5583.46,3013.46 R41C.1@5610,3013.46 ; v1(9495,1200) C188A.1@9556.54,1200 9590,1233.46 9590,1400 9620,1430 U46A.11@9689.25,1430
-15V_D: C168D.1 C180B.1 C184B.1 C188B.1 CON1.5G CON1.5H CON16.7 R41D.1 U42D.5 U46B.11 U47B.4 U48B.4 | length 730.9
  Component Side w10: C168D.1@6450,2813.46 v1(6450,2880) 6478.43,2851.57 U42D.5@6522.6,2851.57 6522.6,3002.6 6533.46,3013.46 R41D.1@6560,3013.46 ; v1(9495,2040) C188B.1@9556.54,2040 9590,2073.46 9590,2240 9620,2270 U46B.11@9689.25,2270
-16V: C167A.1 C167B.1 C167C.1 C167D.1 JP14.2 U42A.2 U42A.3 U42B.2 U42B.3 U42C.2 U42C.3 U42D.2 U42D.3 | length 792.5
  Component Side w10: U42A.2@5610,2248.43 U42A.3@5647.4,2248.43 5647.4,2163.94 C167A.1@5643.46,2160 5700,2160 v1(5710,2170) ; U42C.2@5610,2748.43 U42C.3@5647.4,2748.43 5647.4,2663.94 C167C.1@5643.46,2660 5700,2660 v1(5710,2670) ; U42B.2@6560,2248.43 U42B.3@6597.4,2248.43 6597.4,2163.94 C167B.1@6593.46,2160 6650,2160 v1(6660,2170) ; U42D.2@6560,2748.43 U42D.3@6597.4,2748.43 6597.4,2663.94 C167D.1@6593.46,2660 6650,2660 v1(6660,2670)
ADC1_CLKOUT: U1.33
ADC1_CNV: U1.24
ADC1_IN1: U1.20 U3A.6 U3A.7
ADC1_IN2: U1.17 U3B.6 U3B.7
ADC1_IN3: U1.14 U3C.6 U3C.7
ADC1_IN4: U1.11 U3D.6 U3D.7
ADC1_IN5: U1.5 U3E.6 U3E.7
ADC1_IN6: U1.2 U3F.6 U3F.7
ADC1_IN7: U1.51 U3G.6 U3G.7
ADC1_IN8: U1.48 U3H.6 U3H.7
ADC1_SCK: U1.41
ADC1_SDO1: U1.27
ADC1_SDO2: U1.28
ADC1_SDO3: U1.29
ADC1_SDO4: U1.30
ADC1_SDO5: U1.35
ADC1_SDO6: U1.36
ADC1_SDO7: U1.39
ADC1_SDO8: U1.40
ADC2_CLKOUT: U2.33
ADC2_CNV: U2.24
ADC2_IN1: U2.20 U46A.1 U46A.2 | length 25.6
  Component Side w10: U46A.2@9470.75,1481.18 U46A.1@9470.75,1506.77
ADC2_IN2: U2.17 U46A.6 U46A.7 | length 25.6
  Component Side w10: U46A.7@9470.75,1353.23 U46A.6@9470.75,1378.82
ADC2_IN3: U2.14 U46A.8 U46A.9 | length 25.6
  Component Side w10: U46A.8@9689.25,1353.23 U46A.9@9689.25,1378.82
ADC2_IN4: U2.11 U46A.13 U46A.14 | length 25.6
  Component Side w10: U46A.13@9689.25,1481.18 U46A.14@9689.25,1506.77
ADC2_IN5: U2.5 U46B.1 U46B.2 | length 25.6
  Component Side w10: U46B.2@9470.75,2321.18 U46B.1@9470.75,2346.77
ADC2_IN6: U2.2 U46B.6 U46B.7 | length 25.6
  Component Side w10: U46B.7@9470.75,2193.23 U46B.6@9470.75,2218.82
ADC2_IN7: U2.51 U46B.8 U46B.9 | length 25.6
  Component Side w10: U46B.8@9689.25,2193.23 U46B.9@9689.25,2218.82
ADC2_IN8: U2.48 U46B.13 U46B.14 | length 25.6
  Component Side w10: U46B.13@9689.25,2321.18 U46B.14@9689.25,2346.77
ADC2_SCK: U2.41
ADC2_SDO1: U2.27
ADC2_SDO2: U2.28
ADC2_SDO3: U2.29
ADC2_SDO4: U2.30
ADC2_SDO5: U2.35
ADC2_SDO6: U2.36
ADC2_SDO7: U2.39
ADC2_SDO8: U2.40
ALARMA: U4.2 U5.15 | length 186.4
  Component Side w10: U5.15@6735,716.73 6735,765 6801.1,831.1 U4.2@6801.1,875.75
ALARMB: U4.4 U5.13 | length 161.3
  Component Side w10: U5.13@6835,716.73 6835,761.1 6840.47,766.57 U4.4@6840.47,875.75